# KiCad board LTDM_RevC.kicad_pcb (continued)
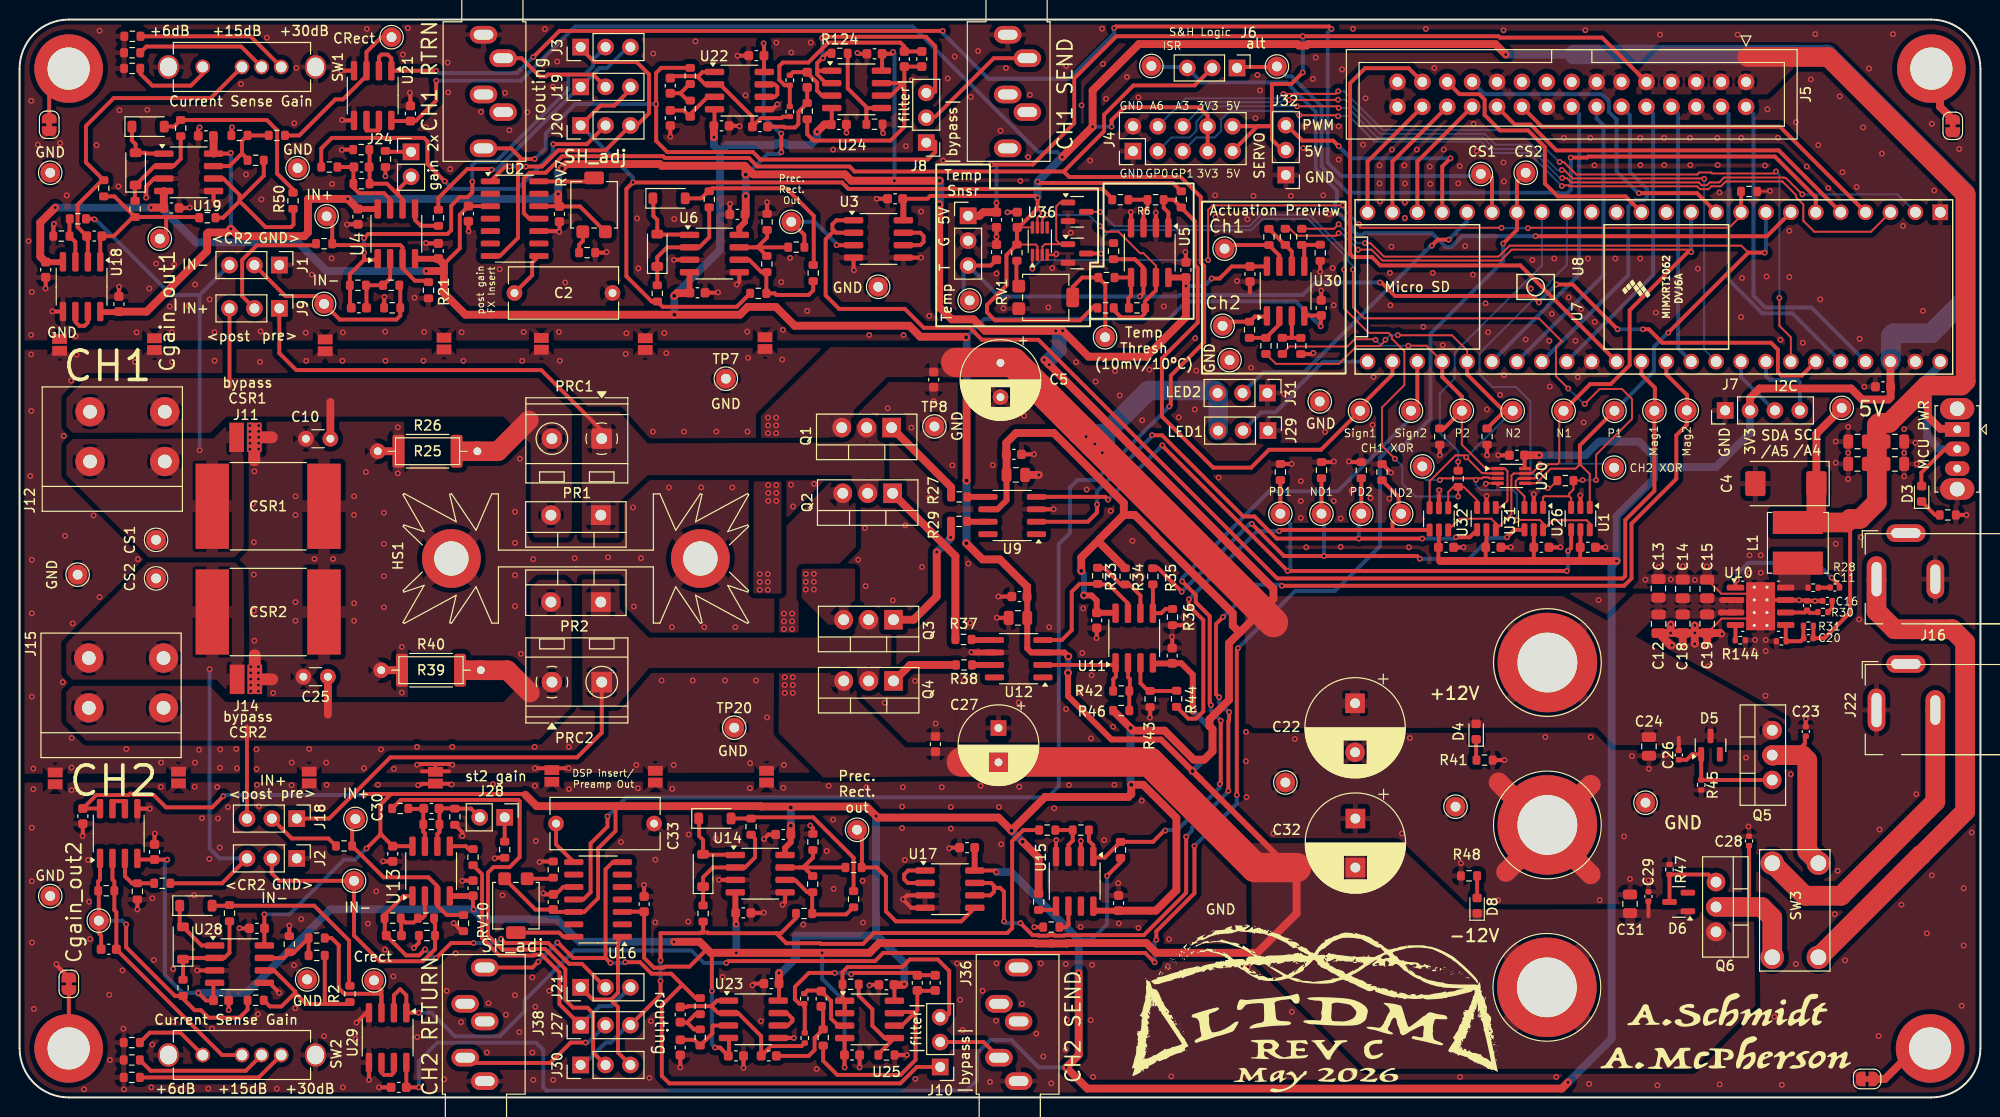
[diagram p0: board, top side]
## Routing (per net, layer and track width the routed paths; a pad name or vN(x,y) marks a point on that pad's centre or on a via; arc(x,y) is an arc through that point) (continued)
Net-(D7-A): length 17.7
  Top w0.4: R104.1 85.06,21.08 85.07,21.09 85.07,24.46 80.94,28.58 74.73,28.58 R52.2 74.2,28.46 74.19,28.47 D7.2
Net-(D7-K): length 7.2
  Top w0.4: D7.1 69.32,28.42 69.32,26.67 69.72,26.27 D9.2 69.77,24.77 72.97,24.77 U14.1
Net-(D8-A): length 2
  Top w0.4: D8.2 148.66,22.38 148.68,22.4
Net-(D9-K): length 11.5
  Top w0.4: R68.2 D9.1 69.72,22.47 70.72,23.47 U14.2 73.99,23.47 75.02,24.49 75.02,26.4 R52.1
Net-(D14-A): length 5.7
  Top w0.4: D16.1 11.45,97.66 11.83,97.28 D14.2 12.85,96.41 12.92,96.34 14.69,96.34 U19.1
Net-(D14-K): length 9.7
  Top w0.4: R105.2 11.76,91.52 11.76,93.04 D14.1 13.77,95.05 U19.2 15.7,95.05 16.43,95.78 R109.1
Net-(D15-A): length 6.3
  Top w0.4: U28.1 18.57,15.5 D15.2 16.33,17.74 16.33,19.57
Net-(D15-K): length 10.3
  Top w0.4: R110.1 21.41,14.76 20.88,14.23 U28.2 16.79,14.23 D15.1 R106.2
Net-(D16-A): length 19.3
  Top w0.4: R50.1 27.89,92.67 26.26,94.29 26.26,98.71 25.22,99.75 R109.2 15.76,99.08 D16.2
Net-(D17-A): length 19.7
  Top w0.4: 33.6,11.83 33.6,16.01 30.05,19.57 21.47,19.57 R110.2 21.35,19.57 D17.2
Net-(J7-Pin_3): length 6.4
  Bottom w0.4: U8.40 175.59,73.52 178.99,70.11 J7.3
Net-(J7-Pin_4): length 8.1
  Bottom w0.4: U8.41 178.13,73.62 178.53,73.21 181.38,73.21 181.58,73.01 J7.4
Net-(J8-Pin_2): length 11.9
  Top w0.4: 93.39,100.08 99.37,106.06 J35.T
Net-(J8-Pin_3): length 25.2
  Top w0.4: 93.39,102.62 93.39,107.3 92.44,108.25 81.86,108.25 v1(81.86,108.1) ; 81.35,104.91 81.48,104.78 U24.1 ; 81.35,104.91 81.35,104.4 82.24,103.51 U24.2 ; 81.35,104.91 81.35,105.56 82.35,106.56 R124.1
  Bottom w0.4: v1(81.94,106.05) 81.89,106.1 81.89,108.07 v1(81.86,108.1)
Net-(J10-Pin_2): length 6.7
  Top w0.4: J10.2 98.32,5.65 99.9,4.07 J36.T
Net-(J10-Pin_3): length 21.6
  Top w0.4: J10.3 94.46,8.19 94.82,8.54 94.82,12.91 93.65,14.08 90.8,14.08 90.03,13.31 84.45,13.31 83.94,12.79 R125.1 83.94,10.08 U25.1 U25.2
Net-(J16-Pad1): length 121.6
  Top w2: 189.4,54.24 J16.1 189.4,49.61 191.23,47.78 197.13,47.78 198.45,46.46 198.45,29.19 183.57,14.3 SW3.4 193.88,24.71 194,24.71
  Bottom w2: 189.4,54.2 J16.1 189.4,49.61 191.23,47.78 197.13,47.78 198.45,46.46 198.45,29.19 193.98,24.72 193.89,24.72 SW3.4
Net-(J22-Pad2): length 64.7
  Top w2: SW3.1 182.09,20.58 185.8,20.58 195.4,30.19 J22.2 195.4,40.56
  Bottom w2: 195.4,40.55 J22.2 195.4,30.19 195.41,30.19 185.8,20.58 182.09,20.58 SW3.1
Net-(J24-Pin_1): length 2.7
  Top w0.4: J24.1 37.41,96.5 R77.2
Net-(J24-Pin_2): length 10.9
  Top w0.4: R60.2 35.67,96.68 35.7,96.66 R3.1 37.47,93.25 38.6,92.13 ; U4.6 39.06,91.66 38.6,92.13 ; J24.2 38.6,92.63 38.6,92.13
Net-(J28-Pin_1): length 2.5
  Top w0.4: J28.1 R64.2
Net-(J28-Pin_2): length 8.8
  Top w0.4: J28.2 46.05,29.47 R76.2 ; 44.72,29.5 42.79,29.5 C30.1 42.77,29.34 42.82,29.29 R51.1 42.82,27.33 42.82,27.09 42.61,26.88 U13.6
Net-(JP1-A): length 3.1
  Top w0.4: JP1.1 3.02,103.02
Net-(JP2-A): length 4.5
  Top w0.8: 195.89,103.81 195.89,101.1 JP2.1
Net-(JP20-A): length 5.9
  Top w0.4: JP20.1 5.02,7.41 5,7.39 H3.1
Net-(JP21-A): length 5.6
  Top w0.8: 193.38,5 190.26,1.88 JP21.1
Net-(Q1-G): length 9.6
  Top w0.8: Q1.1 95.02,62.28 R27.2
Net-(Q2-G): length 17.6
  Top w0.4: R37.2 95.43,46.76
  Top w0.8: Q2.1 95.45,55.25 R37.2
Net-(Q3-G): length 13.7
  Top w0.8: R29.2 94.99,57.18 v1(94.96,57.15) ; Q3.1 91.19,48.75 93.54,51.11 v1(93.54,55.66)
  Bottom w0.8: v1(94.96,57.15) 94.96,57.08 v1(93.54,55.66)
Net-(Q4-G): length 7.1
  Top w0.4: 95.48,44.12 R38.2
  Top w0.8: Q4.1 89.19,42.51 90.82,44.14 R38.2
Net-(R12-Pad1): length 8.9
  Top w0.4: 74.84,86.76 75.34,86.76 ; 74.84,86.76 78.38,86.76 R12.1 ; 74.84,86.76 U6.7 ; 75.34,86.76 R14.2 ; 75.34,86.76 75.34,86.86 76.24,87.76 R9.2
Net-(R13-Pad1): length 2.3
  Top w0.4: R13.1 57.07,86.23 57.07,87.03 57.45,87.4 RV7.3
Net-(R57-Pad2): length 10
  Top w0.4: U14.7 79.52,23.47 ; 79.52,23.47 80.02,23.47 ; 79.52,23.47 R63.1 ; 80.02,23.47 80.02,23.57 80.92,24.47 R57.2 ; 80.02,23.47 R65.2
Net-(R62-Pad1): length 2.7
  Top w0.4: R62.1 54.32,22.32 RV10.3
Net-(R97-Pad2): length 15.6
  Top w0.4: R97.2 23.55,108.3 SW1.1
Net-(R98-Pad2): length 13.5
  Top w0.4: SW1.2 22.6,107.25 12.93,107.25 R98.2
Net-(R99-Pad2): length 8.6
  Top w0.4: SW1.4 18.68,104.47 17.47,103.26 13.54,103.26 12.3,104.49 R99.2
Net-(R100-Pad2): length 15.4
  Top w0.4: SW2.1 24.39,2.04 R100.2
Net-(R101-Pad2): length 13.5
  Top w0.4: SW2.2 23.08,2.73 13.36,2.73 R101.2
Net-(R102-Pad2): length 7.8
  Top w0.4: SW2.4 16.39,6.61 13.28,6.61 R102.2
Net-(R111-Pad2): length 8.6
  Top w0.4: 22.68,96.34 21.39,95.05 U19.7 ; 22.68,96.34 23.25,95.77 R111.2 ; 22.68,96.34 22.68,97.61 R113.2 R115.1
Net-(R112-Pad2): length 7.2
  Top w0.4: U28.7 26.93,14.23 R114.2 27.58,14.74 27.95,14.74 R116.1 R112.2
Net-(R136-Pad2): length 2.7
  Top w0.4: RV1.1 101.67,83.03 101.67,85.34 R136.2
Net-(U2-Adj): length 5.8
  Top w0.4: U2.14 52.98,93.48 57.94,93.48 58.09,93.63 58.38,93.63 RV7.2
Net-(U2-C_{h}): length 4.8
  Top w0.4: C2.2 52.28,83.91 52.28,85.19 U2.8
Net-(U3B--): length 5
  Top w0.4: U3.6 91.87,86.98 92.21,87.31 92.21,87.91 91.87,88.25 U3.7
Net-(U4A-+): length 15.7
  Top w0.4: 41.69,83.34 40.33,83.34 39.06,84.61 U4.3 39.06,86.75 38.83,86.99 32,86.99 31.89,87.1 R11.1 31.89,89.35 TP3.1
Net-(U4A--): length 7.1
  Top w0.4: U4.2 37.79,83.6 R18.2 R17.1 35.38,82.84 C3.1
Net-(U4B-+): length 3.8
  Top w0.4: R8.1 42.71,88.96 40.92,88.96 40.33,89.54 U4.5
Net-(U5A-+): length 5
  Top w0.4: R5.2 R6.1 115.05,90.79 114.64,90.38 U5.3
Net-(U5B-+): length 4.9
  Top w0.4: R137.2 113.36,83.68 U5.5 113.37,81.83 113.09,81.55 113.09,80.63 R138.1
Net-(U6B--): length 11.5
  Top w0.4: R103.2 80.95,82.37 80.48,81.9 77.19,81.9 77.03,82.06 R20.2 76.17,84.18 R14.1 75.67,84.23 74.41,85.49 U6.6
Net-(U9-OUT_A): length 2.1
  Top w0.4: 96.68,58.75 R29.1
  Top w0.6: U9.7 96.68,58.75
Net-(U9-OUT_B): length 2.1
  Top w0.4: 96.67,61.29 R27.1
  Top w0.6: U9.5 96.67,61.29
Net-(U10-BST): length 13.5
  Top w0.4: C11.2 185.63,52.24 v1(184.83,53.04) ; v1(175.18,52.79) 175.02,52.63 U10.1
  Bottom w0.4: v1(184.83,53.04) 183.31,54.57 176.32,54.57 175.18,53.42 v1(175.18,52.79)
Net-(U10-COMP): length 3.5
  Top w0.4: U10.6 182.09,49.49 C17.1 182.58,49.46 183.35,49.46 R30.1
Net-(U10-FB): length 4.9
  Top w0.4: U10.5 180.14,46.62 R32.1 181.67,46.56 C20.2 181.95,46.9 R31.2
Net-(U10-SS): length 1.5
  Top w0.4: U10.4 175.02,48.22 175.02,46.71
Net-(U11A-+): length 6.1
  Top w0.4: R44.2 117.76,41.51 117.74,41.48 R43.2 115.11,41.48 114.32,42.27 U11.3
Net-(U11A--): length 5
  Top w0.4: R46.2 R42.1 113.24,41.53 113.24,42.71 113.06,42.88 113.06,44.33 U11.2
Net-(U11B-+): length 5.1
  Top w0.4: R36.2 117.58,49.86 116.89,49.86 116.45,49.42 U11.5 115.59,52.35 R35.2
Net-(U11B--): length 7.3
  Top w0.4: R33.1 110.11,54.06 110.16,54.01 110.66,54.01 112.31,52.36 R34.2 113.19,52.36 114.32,51.22 U11.6
Net-(U12-IN_A): length 10.5
  Top w0.4: U12.2 111.58,44.14 U11.1 111.81,44.31 111.81,42.93 111.56,42.68 111.56,41.71 111.54,41.68 R42.2
Net-(U12-IN_B): length 15.2
  Top w0.4: U11.7 113.05,50.41 111.1,52.36 110.16,52.36 110.11,52.41 R33.2 108.11,52.41 107.31,51.61 107.31,47.68 106.31,46.68 U12.4
Net-(U12-OUT_A): length 2.3
  Top w0.6: U12.7 R38.1
Net-(U12-OUT_B): length 2.3
  Top w0.6: U12.5 97.16,46.68 R37.1
Net-(U13A-+): length 18.3
  Top w0.4: TP25.1 33.92,28.09 R58.1 37.12,22.46 41.7,22.46 42.61,21.55 U13.3 42.61,19.58 43.57,18.61 R73.2
Net-(U13A--): length 6.8
  Top w0.4: C34.1 38.95,16.72 38.92,16.75 38.92,17.8 38.87,17.85 R70.1 39.32,17.85 40.18,17.85 R71.2 41.07,18.3 41.34,18.57 U13.2
Net-(U13B-+): length 2.5
  Top w0.4: R59.1 45.81,25.34 45.51,25.64 U13.5
Net-(U14B--): length 10.1
  Top w0.4: R104.2 85.03,19.4 84.31,18.68 80.93,18.68 R69.2 80.84,20.89 R65.1 80.34,20.94 79.09,22.2 U14.6
Net-(U15A-+): length 4.6
  Top w0.4: R53.2 R54.1 107.42,26.21 106.98,25.77 U15.3
Net-(U15B-+): length 2.1
  Top w0.4: R66.1 105.67,19.13 105.71,19.17 U15.5
Net-(U15B--): length 2.9
  Top w0.4: U15.6 106.98,17.77 106.99,17.76 106.99,17.62 106.75,17.38 106.06,17.38
Net-(U16-Adj): length 6.1
  Top w0.4: U16.14 55.46,16.39 55.04,16.82 RV10.2
Net-(U16-C_{h}): length 4.7
  Top w0.4: U16.8 54.72,25.82 C33.2
Net-(U17A--): length 5.1
  Top w0.4: U17.2 90.6,21.89 90.22,22.27 90.22,22.74 90.64,23.16 U17.1
Net-(U18A-+): length 4.7
  Top w0.4: U18.3 5.69,87.31 R92.2 5.09,89.65 R90.1
Net-(U18A--): length 34.7
  Top w0.4: SW1.3 19.51,101.99 9.6,101.99 6.77,99.16 6.77,95.42 R95.1 8.43,93.61 5.91,91.09 5.91,88.83 C35.1 6.84,87.65 6.96,87.53 U18.2
Net-(U19B--): length 20.7
  Top w0.4: 22.44,91.47 22.44,92.11 20.77,93.78 U19.6 ; 22.44,91.47 20.75,89.78 R107.2 ; 22.44,91.47 22.44,91.59 24.9,94.05 R111.1 ; 22.44,91.47 25.08,88.82 27.67,88.82 27.94,89.08 27.94,90.64 R50.2
Net-(U21A-+): length 16.4
  Top w0.4: TP33.1 36.9,108.2 35.38,106.69 U21.3 35.38,104.26 32.97,101.86 32.2,101.86 28.52,98.18 27.06,98.18
Net-(U22A-+): length 5.8
  Top w0.4: U22.3 70.18,102.12 68.4,100.34 R94.1 67.75,100.73 C39.2
Net-(U22A--): length 17.4
  Top w0.4: 69.16,104.15 69.92,103.39 U22.2 71.45,103.39 74.74,100.1 C43.2 75.61,99.94 77.71,99.94 77.85,100.08 78.55,100.08 78.56,100.1 R118.2 ; 69.16,104.15 69.67,104.66 U22.1 ; 69.16,104.15 69.08,104.23 66.56,104.23 C37.1
Net-(U22B--): length 3.6
  Top w0.4: U22.7 77.04,103.39 77.29,103.13 77.29,102.37 77.04,102.12 U22.6
Net-(U23A-+): length 6.4
  Top w0.4: U23.3 70.72,7.34 70.67,7.28 70.67,6.54 R117.1 68.83,5.88 C40.2
Net-(U23A--): length 18.5
  Top w0.4: U23.1 71.13,9.88 70.56,9.31 ; 70.56,9.31 71.27,8.61 U23.2 73.29,8.61 75.64,6.26 C44.2 76.64,5.24 79.77,5.24 R120.2 ; 70.56,9.31 68.17,9.31 68.09,9.23 C38.1
Net-(U23B--): length 3.6
  Top w0.4: U23.7 78.27,8.61 78.83,8.05 78.83,7.79 78.37,7.34 U23.6
Net-(U24A-+): length 5.9
  Top w0.4: R119.1 78.88,104.63 80.28,104.63 80.34,104.57 80.34,104.57 81.35,103.55 81.35,102.74 81.85,102.24 U24.3
Net-(U24B-+): length 9.5
  Top w0.4: 86.47,100.97 86.37,100.88 R126.1 ; 86.47,100.97 84.47,102.97 R124.2 ; 86.47,100.97 U24.5
Net-(U24B--): length 25.5
  Top w0.4: U24.7 90.13,103.51 90.24,103.63 ; R122.2 80.34,98.31 80.99,97.65 88.83,97.65 90.24,99.07 90.24,103.63 ; 90.24,103.63 C48.2 C41.2 ; 90.24,103.63 88.86,102.24 U24.6
Net-(U25A-+): length 6.9
  Top w0.4: U25.3 84.01,7.18 83.63,7.18 82.76,8.05 82.76,9.85 82.75,9.85 C46.1 81.7,10.9 80.35,10.9 R121.1
Net-(U25B-+): length 10
  Top w0.4: R127.1 87.6,4.42 U25.5 88.24,6.06 86.98,7.32 86.98,8.99 85.59,10.39 R125.2
Net-(U25B--): length 26.2
  Top w0.4: 91.56,10.82 91.63,10.88 93.24,10.88 93.28,10.92 C49.2 ; 91.56,10.82 91.56,8.9 91.39,8.72 ; 91.56,10.82 C42.2 ; R123.2 81.96,3.73 83.4,2.29 89.86,2.29 91.39,3.82 91.39,8.72 ; 91.39,8.72 89.99,7.33 U25.6 ; 91.39,8.72 89.35,8.72 U25.7
Net-(U27A-+): length 5.1
  Top w0.4: U27.3 10.74,22.57 11.46,21.85 R93.2 13.73,21.85
Net-(U27A--): length 26.7
  Top w0.4: U27.2 9.47,22.23 9.66,22.04 R96.1 9.66,19.12 9.87,18.92 C36.1 9.87,15.11 20.65,4.33 SW2.3
Net-(U28B--): length 19.1
  Top w0.4: R112.1 31.13,9.53 ; 28.1,10.68 26.71,9.29 25.53,9.29 R108.2 ; 28.1,10.68 28.1,10.81 25.95,12.96 U28.6 ; 28.1,10.68 29.25,9.53 33.6,9.53
Net-(U29A-+): length 16.2
  Top w0.4: R116.2 31.82,16.26 32.59,15.5 32.55,15.47 32.55,11.15 33.12,10.58 36.75,10.58 36.9,10.42 U29.3 36.9,10.93 36.4,11.44 36.4,11.69 TP34.1
Net-(U30A-+): length 4.1
  Top w0.4: R128.2 130.67,77.53 129.72,77.53 ; 129.72,77.53 129.77,77.58 U30.3 ; 129.72,77.53 R10.1
Net-(U30A--): length 4.5
  Top w0.4: R22.2 127.11,77.52 R16.1 128.5,78.9 U30.2
Net-(U30B-+): length 4.2
  Top w0.4: U30.5 131.04,86.75 R61.1 132.64,87 R129.2
Net-(U30B--): length 4.8
  Top w0.4: U30.6 129.77,86.34 R55.1 129.07,87 R142.2
Net-(U36-~{CLR}): length 24
  Top w0.2: v1(110.18,88.93) 110.77,88.35 112.09,88.35 114.27,86.17 114.63,86.17 115.91,84.89 U5.7 ; U36.6 104.31,89.62 v1(104.77,90.08)
  Top w0.4: U5.7 115.9,83.67 115.9,82.36 114.79,81.25 R138.2 114.74,80.53 114.74,79.98 114.37,79.61 112.34,79.61 111.8,80.16 111.8,80.37 R139.1
  Bottom w0.2: v1(104.77,90.08) 109.04,90.08 v1(110.18,88.93)
unconnected-(U18-Pad7): length 3.7
  Top w0.4: U18.6 5.69,79.15 6.09,78.75 6.62,78.75 6.96,79.08 U18.7
unconnected-(U21-Pad7): length 3.3
  Top w0.4: U21.6 35.38,98.68 36.61,98.68 36.65,98.72 U21.7
unconnected-(U27-Pad7): length 2.8
  Top w0.4: U27.7 9.47,30.23 10.74,30.23 U27.6
unconnected-(U29-Pad7): length 3.5
  Top w0.4: U29.7 38.17,2.55 37.92,2.29 37.16,2.29 36.9,2.55 U29.6

## Copper pours and planes (outline as drawn; the poured copper is in the pictures)
+3.3V on Bottom: 154.25,107.45 152.09,105.29 152.08,102.5 159.1,102.5 159.45,102.86 159.45,107.48
+5V on Top: 167.47,107.2 164.89,104.62 164.89,102.37 178.29,102.37 181.15,105.23 181.15,107.2
+12V on Top: 175.89,51.06 173.1,51.06 172.74,51.42 164.67,51.42 161.57,48.32 163.5,46.39 164.16,46.39 166.6,48.83 172.84,48.83 173.2,49.18 175.89,49.18
+12V on Top: 74.84,51.43 74.88,62.87 77.71,62.88 77.71,51.43
+12V on Top: 75.62,66.88 75.74,66.76 83.07,66.67 85.1,68.69 85.1,70.15 88.48,73.52 95.98,73.48 95.98,76.53 82.71,76.58 75.61,69.52
+12V on Top: 83.4,47.33 79.76,50.99 79.77,53.95 85.21,53.98 85.21,48.15 84.4,47.33
+12V on Top: 124.98,51.15 157.4,51.17 180.16,38.52 180.16,35.95 162.63,35.95 160.86,37.75 125.05,37.68
+12V on Bottom: 75.78,60.48 75.81,69.72 77.66,69.73 77.66,60.48
+12V on Bottom: 74.9,51.41 74.91,53.83 81.41,53.87 81.41,51.41
-12V on Top: 77.48,47.38 77.51,57.63 82.84,62.97 85.26,62.98 85.31,56.19 83.55,54.4 79.45,54.36 79.47,47.38
-12V on Top: 177.05,9.37 170.69,2.91 137.21,2.91 125.68,14.38 125.62,25.96 140.45,25.96 147.52,19.19 176.89,19.23
-12V on Top: 77.47,43.83 85.4,43.83 85.39,40.68 90.35,35.73 96.14,35.76 96.14,32.79 81.98,32.64 77.41,37.2
-12V on Bottom: 77.45,40.76 77.48,49.99 79.46,50 79.46,40.76
GND on Top: 176.01,54.24 176.01,51.98 165.9,51.98 165.9,54.24
GND on Top, Bottom, In1.Cu, In2.Cu: 0.14,77.25 0.14,109.94 200.06,109.94 200.09,-0.35 1.55,-0.32 0.11,1.12 0.13,32.13 95.44,32.31 95.75,77.25
GND on Top, Bottom, In1.Cu, In2.Cu: 0.17,33.03 95.57,33.15 96.05,76.54 0.37,76.32
/U4-SW on Top: 179.37,51.77 179.37,54.06 182.67,54.06 182.67,51.77
CSR1 on Top: 21.39,68.87 19.78,67.27 5.41,67.19 4.77,66.56 4.77,63.51 13.17,55.11 21.89,55.11 22.86,56.08 22.88,68.84
CSR2 on Top: 21.44,41.17 20.09,42.64 5.39,42.64 4.75,43.27 4.75,46.32 13.15,54.72 21.87,54.72 22.84,53.74 22.96,41.17
post_resistor1 on Top: 4.77,68.46 5.41,67.83 19.45,67.83 21.1,69.48 49.35,69.48 52.14,66.68 52.14,58.07 52.51,57.14 55.96,57.14 56.34,58.02 56.34,69.99 52.91,73.41 6.81,73.41 4.77,71.38
post_resistor2 on Top: 4.75,41.37 5.39,42 19.37,42 21.02,40.35 49.33,40.35 52.13,43.14 52.13,52.02 52.94,52.83 55.58,52.83 56.32,52.1 56.32,39.84 52.89,36.41 6.79,36.41 4.75,38.44
pre_resistor1 on Top: 84.87,63.49 84.94,60.48 88.26,60.48 88.14,69.49 85.27,69.53 85.28,68.38 83.75,66.83 64.06,66.76 61.16,69.99 57.35,69.99 57.35,57.11 61.15,57.11 61.13,60.75 64.08,63.51
pre_resistor2 on Top: 61.18,52.89 61.22,49.88 64.17,46.93 84.76,46.93 85.21,47.4 85.18,50.16 88.98,50.2 88.86,41.13 85.37,41.13 85.4,43.83 64.21,43.82 60.95,39.97 57.42,39.99 57.35,52.88

## Text on the board
B.Silkscreen: MOSI | GND | DS0 | DS1 | DS2 | DS3 | DR | AS0 | AS1 | AS2 | AS3 | A.Read | FP1 | FP2 | SCK | ~{LAT} | 3V3 | 5V
User.Comments: this jumper changes the stage 2 gain of the preamp -> / j24 on: gain = 5.52 (total ~500) / j24 off: gain = 2.76 (total ~250) | Heatsink solder leads may be removed. Holes tapped with M3/M4 tap so that heatsink is attached with screws (and therefore removable!)
User.Drawings: Checks before expecting good feedback: / - Has S+H offset been calibrated? / - Are all jumpers in standard positions? / -Ch1: / J1: Pre resistor / J27: Closed (allows send to jack) / J29: Sample and Hold Bypass: Pins 1+2 / J17: DSP insert Pins 2+3 shorted / -Ch2
F.Silkscreen: Prec. / Rect. / Out | DSP insert/ / Preamp Out | post gain / FX Insert | ISR | S&H Logic | PD1 | ND1 | Sign1 | PD2 | CH1 XOR | ND2 | Sign2 | P2 | N2 | N1 | P1 | CH2 XOR | GND | A6 | GP0 | A3 | GP1 | 3V3 | 5V | Mag1 | Mag2 | alt | +6dB | Current Sense Gain | +15dB | bypass / CSR1 | bypass / CSR2 | +30dB | CRect | Crect | st2 gain | Prec. / Rect. / out | Temp / Snsr | Temp / Thresh / (10mV/10ºC) | LED2 | LED1 | Actuation Preview | PWM | CS1 | CS2 | SDA / /A5 | I2C | SCL / /A4 | IN- | IN+ | <post | <CR2 | GND> | pre> | gain 2x | |filter| | G | T | Temp | |bypass| | SERVO | MCU PWR | routing | Ch2 | Ch1 | SH_adj | +12V | -12V | Cgain_out2 | Cgain_out1 | CH1 RTRN | CH2 RETURN | CH1 SEND | CH2 SEND | A.Schmidt / A.McPherson | CH1 | CH2 | LTDM RevC 04/2026
